# KiCad board 5x5x2.kicad_pcb
title: Orochi 5x5x2; date: 2022-06-25; company: Willem Dijkstra
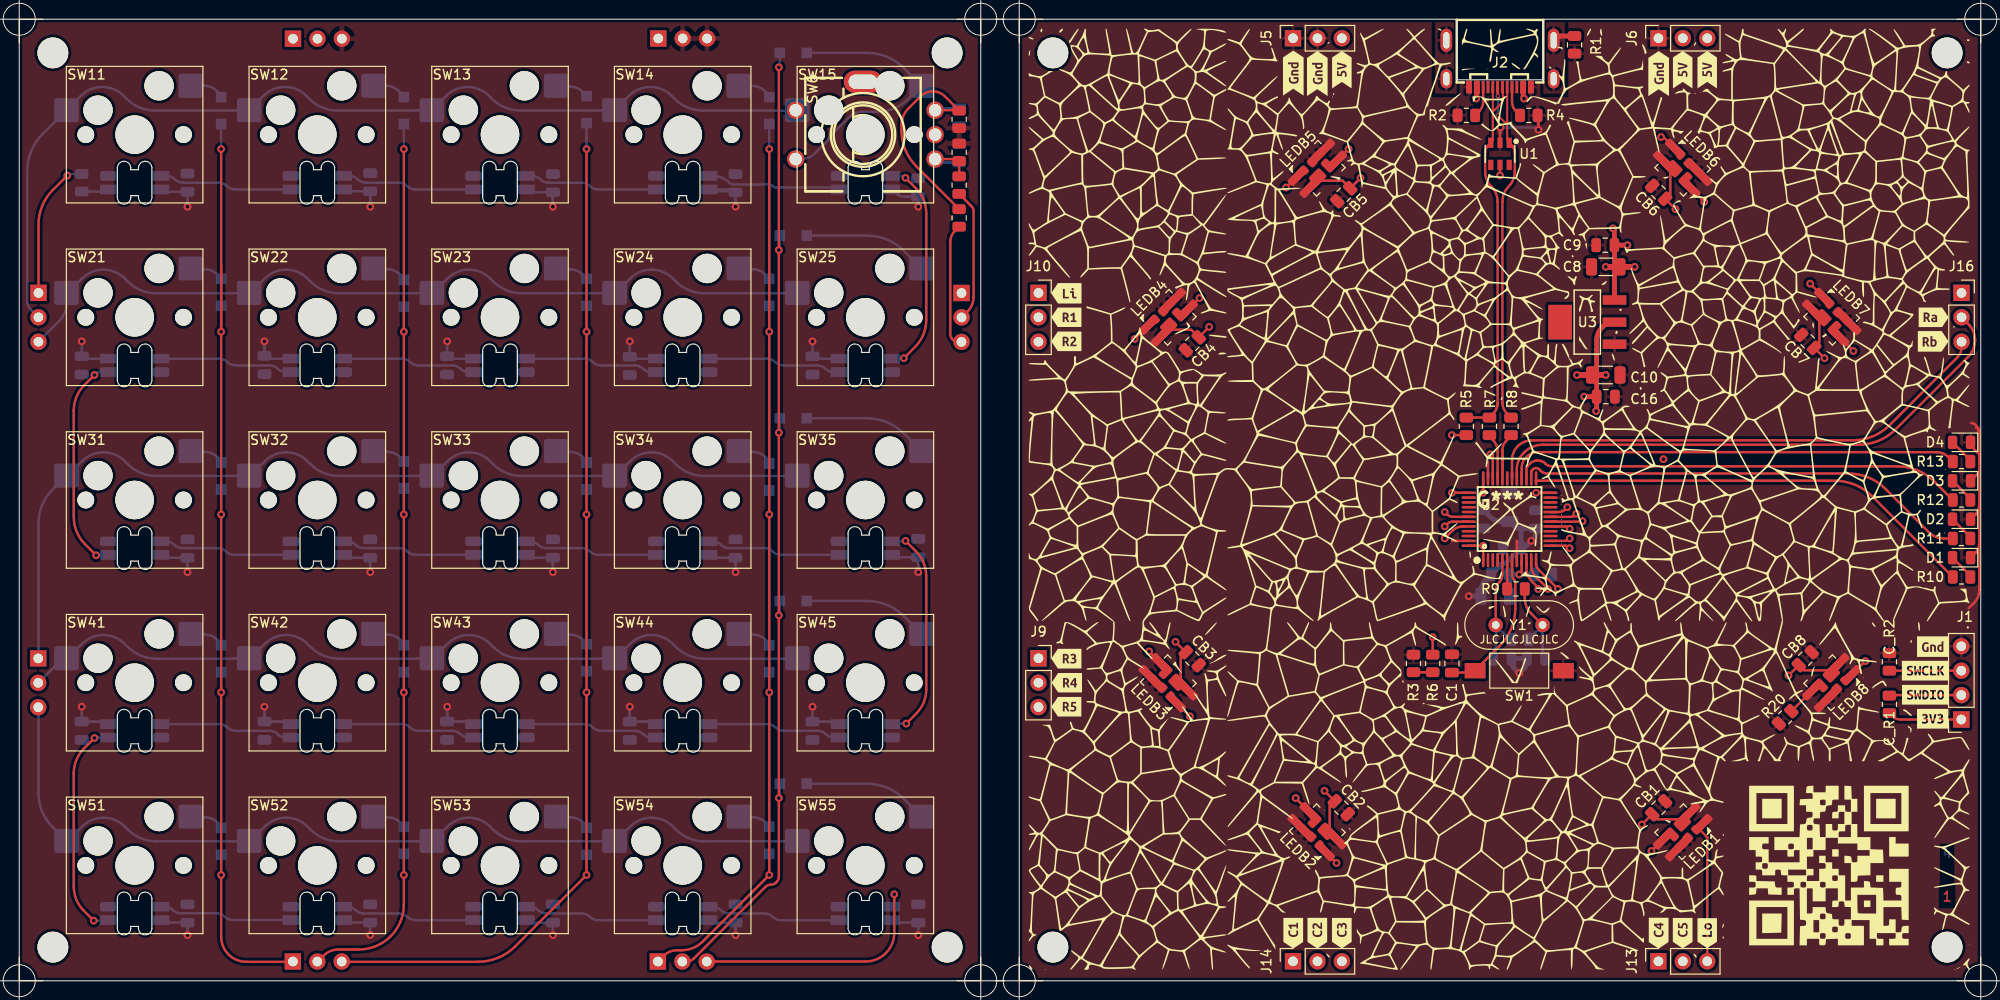
[diagram p0: board, top side]
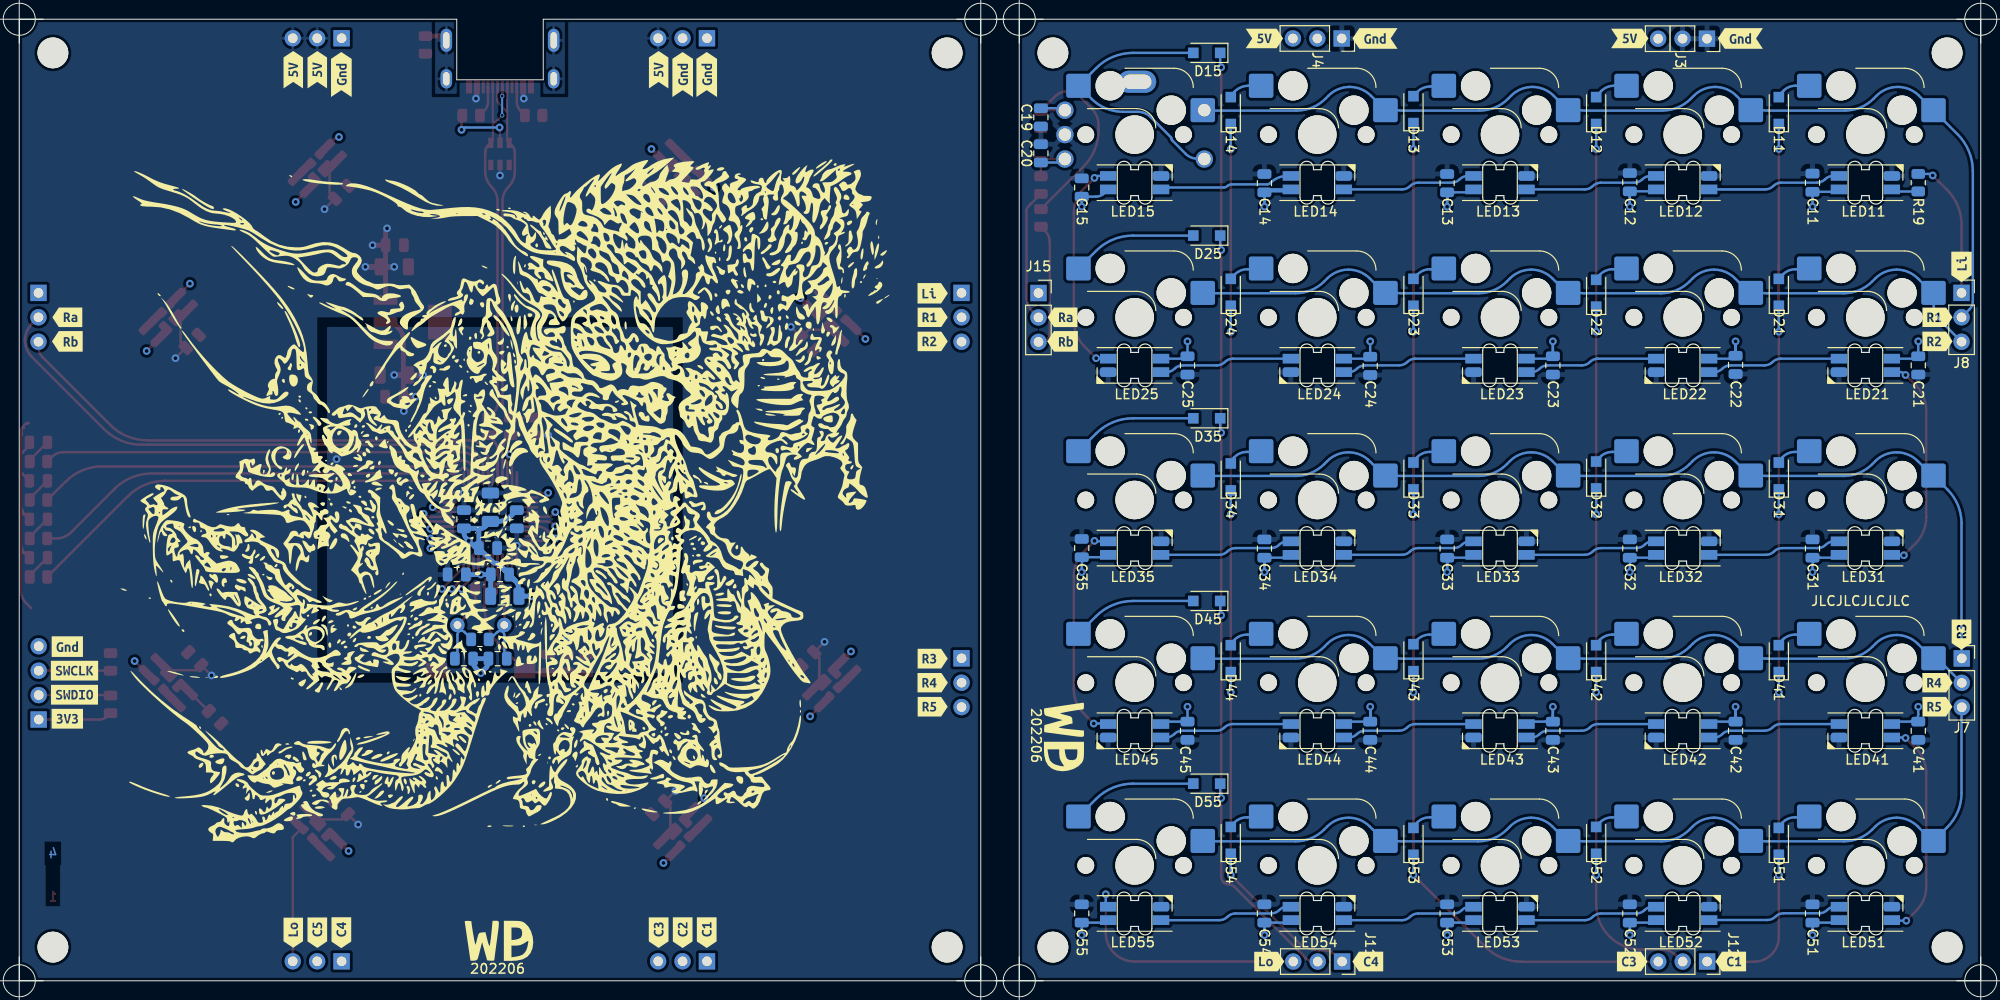
[diagram p1: board, bottom side, seen from below]

Outline 204 x 100 mm; copper layers: Top, In1.Cu, In2.Cu, Bottom. Coordinates in mm from the lower left corner of the outline.
Outline path: 0,100 100,100 100,0 0,0 0,100 ; 104,0 104,100 149.5,100 149.5,93.7 158.5,93.7 158.5,100 204,100 204,0 104,0
Stack: Top 0.035mm / dielectric 0.11mm FR4 er 4.5 / In1.Cu 0.035mm / dielectric 1.1mm FR4 er 4.5 / In2.Cu 0.035mm / dielectric 0.11mm FR4 er 4.5 / Bottom 0.035mm

## Placement (name value [footprint] x y rotation side)
C1  100n  [C_0805_2012Metric]  149 33 90 top
C2  10u  [C_1206_3216Metric]  155 49.25 270 bottom
C3  100n  [C_0805_2012Metric]  155.25 45 0 bottom
C4  100n  [C_0805_2012Metric]  152.25 48 90 bottom
C5  100n  [C_0805_2012Metric]  157.75 48 270 bottom
C6  1u  [C_1206_3216Metric]  153.5 40 180 bottom
C7  1n  [C_0805_2012Metric]  154 42.25 180 bottom
C8  1u  [C_1206_3216Metric]  165 74.25 180 top
C9  100n  [C_0805_2012Metric]  164.95 76.5 180 top
C10  10u  [C_1206_3216Metric]  165 63 0 top
C11  100n  [C_0805_2012Metric]  17.5 83 270 bottom
C12  100n  [C_0805_2012Metric]  36.5 83.05 270 bottom
C13  100n  [C_0805_2012Metric]  55.5 82.95 270 bottom
C14  100n  [C_0805_2012Metric]  74.5 82.95 270 bottom
C15  100n  [C_0805_2012Metric]  93.5 82.5 270 bottom
C16  100n  [C_0805_2012Metric]  165 60.75 0 top
C17  20p  [C_0805_2012Metric]  154.25 33.5 180 bottom
C18  20p  [C_0805_2012Metric]  157.75 33.5 0 bottom
C19  100n  [C_0805_2012Metric]  97.75 89.8 270 bottom
C20  100n  [C_0805_2012Metric]  97.75 86.05 90 bottom
C21  100n  [C_0805_2012Metric]  6.5 64 270 bottom
C22  100n  [C_0805_2012Metric]  25.5 64.05 270 bottom
C23  100n  [C_0805_2012Metric]  44.5 64 270 bottom
C24  100n  [C_0805_2012Metric]  63.5 63.95 270 bottom
C25  100n  [C_0805_2012Metric]  82.5 64 270 bottom
C31  100n  [C_0805_2012Metric]  17.5 44.95 270 bottom
C32  100n  [C_0805_2012Metric]  36.5 44.95 270 bottom
C33  100n  [C_0805_2012Metric]  55.5 44.95 270 bottom
C34  100n  [C_0805_2012Metric]  74.5 44.95 270 bottom
C35  100n  [C_0805_2012Metric]  93.5 45 270 bottom
C41  100n  [C_0805_2012Metric]  6.5 26 270 bottom
C42  100n  [C_0805_2012Metric]  25.5 26 270 bottom
C43  100n  [C_0805_2012Metric]  44.5 26 270 bottom
C44  100n  [C_0805_2012Metric]  63.5 26 270 bottom
C45  100n  [C_0805_2012Metric]  82.5 26 270 bottom
C51  100n  [C_0805_2012Metric]  17.5 7 270 bottom
C52  100n  [C_0805_2012Metric]  36.5 7 270 bottom
C53  100n  [C_0805_2012Metric]  55.5 7 270 bottom
C54  100n  [C_0805_2012Metric]  74.5 7 270 bottom
C55  100n  [C_0805_2012Metric]  93.5 7 270 bottom
C_R1  10k  [R_0805_2012Metric]  194.5 28.75 90 top
C_R2  10k  [R_0805_2012Metric]  194.5 33.16 90 top
C_R3  1M  [R_0805_2012Metric]  156.09 35.5 0 bottom
CB1  100n  [C_0805_2012Metric]  170.5 18 45 top
CB2  100n  [C_0805_2012Metric]  137.5 18 315 top
CB3  100n  [C_0805_2012Metric]  122 33.5 315 top
CB4  100n  [C_0805_2012Metric]  122 66.25 225 top
CB5  100n  [C_0805_2012Metric]  137.75 81.75 225 top
CB6  100n  [C_0805_2012Metric]  170.5 82 135 top
CB7  100n  [C_0805_2012Metric]  186 66.5 135 top
CB8  100n  [C_0805_2012Metric]  185.75 33.5 45 top
D1  Led_Small  [LED_0805_2012Metric]  202 44 180 top
D2  Led_Small  [LED_0805_2012Metric]  202 48 180 top
D3  Led_Small  [LED_0805_2012Metric]  202 52 180 top
D4  Led_Small  [LED_0805_2012Metric]  202 56 180 top
D11  1N4148  [D_SOD-123F]  21 90.5 90 bottom
D12  1N4148  [D_SOD-123F]  40 90.5 90 bottom
D13  1N4148  [D_SOD-123F]  59 90.6 90 bottom
D14  1N4148  [D_SOD-123F]  78 90.5 90 bottom
D15  1N4148  [D_SOD-123F]  80.5 96.5 0 bottom
D21  1N4148  [D_SOD-123F]  21 71.6 90 bottom
D22  1N4148  [D_SOD-123F]  40 71.5 90 bottom
D23  1N4148  [D_SOD-123F]  59 71.6 90 bottom
D24  1N4148  [D_SOD-123F]  78 71.6 90 bottom
D25  1N4148  [D_SOD-123F]  80.5 77.5 0 bottom
D31  1N4148  [D_SOD-123F]  21 52.5 90 bottom
D32  1N4148  [D_SOD-123F]  40 52.6 90 bottom
D33  1N4148  [D_SOD-123F]  59 52.5 90 bottom
D34  1N4148  [D_SOD-123F]  78 52.4 90 bottom
D35  1N4148  [D_SOD-123F]  80.5 58.5 0 bottom
D41  1N4148  [D_SOD-123F]  21 33.5 90 bottom
D42  1N4148  [D_SOD-123F]  40 33.5 90 bottom
D43  1N4148  [D_SOD-123F]  59 33.6 90 bottom
D44  1N4148  [D_SOD-123F]  78 33.5 90 bottom
D45  1N4148  [D_SOD-123F]  80.5 39.5 0 bottom
D51  1N4148  [D_SOD-123F]  21 14.5 90 bottom
D52  1N4148  [D_SOD-123F]  40 14.6 90 bottom
D53  1N4148  [D_SOD-123F]  59 14.5 90 bottom
D54  1N4148  [D_SOD-123F]  78 14.6 90 bottom
D55  1N4148  [D_SOD-123F]  80.5 20.5 0 bottom
G***  -  [LOGO]  154 50 0 top
G***#2  LOGO  [6066b2b7-d2ea-446b-a3ec-363ac94d605e]  117.13 84.97 0 bottom
G***#3  -  [LOGO]  95.25 25.25 270 bottom
G***#4  -  [LOGO]  154 4.25 180 bottom
J1  SW Debug  [PinSocket_1x04_P2.54mm_Vertical]  201.97 27.17 180 top
J2  USB_C_Receptacle_USB2.0  [USB-C-SMD_TYPE-C-USB-4]  154 95.41 180 top
J3  Conn_01x03_Male  [PinSocket_1x03_P2.54mm_Vertical]  28.47 97.97 270 bottom
J4  Conn_01x03_Male  [PinSocket_1x03_P2.54mm_Vertical]  66.46 98 270 bottom
J5  Conn_01x03_Female  [PinSocket_1x03_P2.54mm_Vertical]  132.47 98.03 90 top
J6  Conn_01x03_Female  [PinSocket_1x03_P2.54mm_Vertical]  170.47 98.03 90 top
J7  Conn_01x03_Male  [PinSocket_1x03_P2.54mm_Vertical]  1.98 33.53 180 bottom
J8  Conn_01x03_Male  [PinSocket_1x03_P2.54mm_Vertical]  2 71.54 180 bottom
J9  Conn_01x03_Female  [PinSocket_1x03_P2.54mm_Vertical]  106 33.54 0 top
J10  Conn_01x03_Female  [PinSocket_1x03_P2.54mm_Vertical]  106 71.54 0 top
J11  Conn_01x03_Male  [PinSocket_1x03_P2.54mm_Vertical]  66.42 2 270 bottom
J12  Conn_01x03_Male  [PinSocket_1x03_P2.54mm_Vertical]  28.46 2 270 bottom
J13  Conn_01x03_Female  [PinSocket_1x03_P2.54mm_Vertical]  170.47 2.03 90 top
J14  Conn_01x03_Female  [PinSocket_1x03_P2.54mm_Vertical]  132.47 2.03 90 top
J15  Conn_01x03_Male  [PinSocket_1x03_P2.54mm_Vertical]  98 71.53 180 bottom
J16  Conn_01x03_Female  [PinSocket_1x03_P2.54mm_Vertical]  202 71.54 0 top
kibuzzard-62AF6B0E  G***  [kibuzzard-62AF6B0E]  2 36 90 bottom
kibuzzard-62AF6B7C  G***  [kibuzzard-62AF6B7C]  109 28.5 180 bottom
kibuzzard-62AF6B7C#2  G***  [kibuzzard-62AF6B7C]  4.5 28.5 180 bottom
kibuzzard-62AF6B38  G***  [kibuzzard-62AF6B38]  4.5 31 180 bottom
kibuzzard-62AF6B38#2  G***  [kibuzzard-62AF6B38]  109 31 180 bottom
kibuzzard-62AF6BA3  G***  [kibuzzard-62AF6BA3]  109 66.5 180 bottom
kibuzzard-62AF6BA3#2  G***  [kibuzzard-62AF6BA3]  4.5 66.5 180 bottom
kibuzzard-62AF6BAD  G***  [kibuzzard-62AF6BAD]  4.5 69 180 bottom
kibuzzard-62AF6BAD#2  G***  [kibuzzard-62AF6BAD]  109 69 180 bottom
kibuzzard-62AF6BF3  G***  [kibuzzard-62AF6BF3]  2 74.25 90 bottom
kibuzzard-62AF6D1E  G***  [kibuzzard-62AF6D1E]  36.5 98 180 bottom
kibuzzard-62AF6D1E#2  G***  [kibuzzard-62AF6D1E]  74.5 98 180 bottom
kibuzzard-62AF6DB1  G***  [kibuzzard-62AF6DB1]  63 98 180 bottom
kibuzzard-62AF6DB1#2  G***  [kibuzzard-62AF6DB1]  25 98 180 bottom
kibuzzard-62AF6E15  G***  [kibuzzard-62AF6E15]  95.5 69 180 bottom
kibuzzard-62AF6E21  G***  [kibuzzard-62AF6E21]  95.5 66.5 180 bottom
kibuzzard-62AF6EB6  G***  [kibuzzard-62AF6EB6]  63.75 2 180 bottom
kibuzzard-62AF6EDD  G***  [kibuzzard-62AF6EDD]  26 2 180 bottom
kibuzzard-62AF6F00  G***  [kibuzzard-62AF6F00]  36.25 2 180 bottom
kibuzzard-62AF6F11  G***  [kibuzzard-62AF6F11]  74 2 180 bottom
kibuzzard-62AF7A14  G***  [kibuzzard-62AF7A14]  199 34.75 0 top
kibuzzard-62AF7A14#2  G***  [kibuzzard-62AF7A14]  199 34.75 180 bottom
kibuzzard-62AF7A28  G***  [kibuzzard-62AF7A28]  198.25 32.25 0 top
kibuzzard-62AF7A28#2  G***  [kibuzzard-62AF7A28]  198.25 32.25 180 bottom
kibuzzard-62AF7A49  G***  [kibuzzard-62AF7A49]  198.25 29.75 0 top
kibuzzard-62AF7A49#2  G***  [kibuzzard-62AF7A49]  198.25 29.75 180 bottom
kibuzzard-62AF7A56  G***  [kibuzzard-62AF7A56]  199 27.25 0 top
kibuzzard-62AF7A56#2  G***  [kibuzzard-62AF7A56]  199 27.25 180 bottom
kibuzzard-62AF7CA9  G***  [kibuzzard-62AF7CA9]  109 33.5 180 bottom
kibuzzard-62AF7CCF  G***  [kibuzzard-62AF7CCF]  109 71.5 180 bottom
kibuzzard-62AF73B1  G***  [kibuzzard-62AF73B1]  135 94.35 90 top
kibuzzard-62AF73B1#2  G***  [kibuzzard-62AF73B1]  170.5 94.35 90 top
kibuzzard-62AF73B1#3  G***  [kibuzzard-62AF73B1]  132.5 94.4 90 top
kibuzzard-62AF73B1#4  G***  [kibuzzard-62AF73B1]  132.5 94.25 90 bottom
kibuzzard-62AF73B1#5  G***  [kibuzzard-62AF73B1]  170.5 94.25 90 bottom
kibuzzard-62AF73B1#6  G***  [kibuzzard-62AF73B1]  135 94.25 90 bottom
kibuzzard-62AF73D1  G***  [kibuzzard-62AF73D1]  175.55 94.75 90 top
kibuzzard-62AF73D1#2  G***  [kibuzzard-62AF73D1]  173 94.75 90 top
kibuzzard-62AF73D1#3  G***  [kibuzzard-62AF73D1]  137.55 94.75 90 top
kibuzzard-62AF73D1#4  G***  [kibuzzard-62AF73D1]  173 94.75 90 bottom
kibuzzard-62AF73D1#5  G***  [kibuzzard-62AF73D1]  175.5 94.75 90 bottom
kibuzzard-62AF73D1#6  G***  [kibuzzard-62AF73D1]  137.5 94.75 90 bottom
kibuzzard-62AF74B5  G***  [kibuzzard-62AF74B5]  132.5 4.95 90 top
kibuzzard-62AF74B5#2  G***  [kibuzzard-62AF74B5]  132.5 5 90 bottom
kibuzzard-62AF74BF  G***  [kibuzzard-62AF74BF]  135 4.95 90 top
kibuzzard-62AF74BF#2  G***  [kibuzzard-62AF74BF]  135 5 90 bottom
kibuzzard-62AF74C8  G***  [kibuzzard-62AF74C8]  137.55 4.95 90 top
kibuzzard-62AF74C8#2  G***  [kibuzzard-62AF74C8]  137.5 5 90 bottom
kibuzzard-62AF74DA  G***  [kibuzzard-62AF74DA]  108.9 33.5 0 top
kibuzzard-62AF74E3  G***  [kibuzzard-62AF74E3]  108.95 31 0 top
kibuzzard-62AF74EC  G***  [kibuzzard-62AF74EC]  108.9 28.5 0 top
kibuzzard-62AF74F7  G***  [kibuzzard-62AF74F7]  108.9 66.5 0 top
kibuzzard-62AF74FE  G***  [kibuzzard-62AF74FE]  108.9 69 0 top
kibuzzard-62AF742E  G***  [kibuzzard-62AF742E]  199.05 66.5 0 top
kibuzzard-62AF749F  G***  [kibuzzard-62AF749F]  175.55 4.95 90 top
kibuzzard-62AF749F#2  G***  [kibuzzard-62AF749F]  175.5 5 90 bottom
kibuzzard-62AF750A  G***  [kibuzzard-62AF750A]  108.9 71.5 0 top
kibuzzard-62AF7423  G***  [kibuzzard-62AF7423]  199.1 69 0 top
kibuzzard-62AF7487  G***  [kibuzzard-62AF7487]  170.5 4.95 90 top
kibuzzard-62AF7487#2  G***  [kibuzzard-62AF7487]  170.5 5 90 bottom
kibuzzard-62AF7492  G***  [kibuzzard-62AF7492]  173 4.95 90 top
kibuzzard-62AF7492#2  G***  [kibuzzard-62AF7492]  173 5 90 bottom
kibuzzard-62B6DFF3  G***  [kibuzzard-62B6DFF3]  199 69 180 bottom
kibuzzard-62B6E005  G***  [kibuzzard-62B6E005]  199 66.5 180 bottom
L1  bead  [C_0805_2012Metric]  158.5 42.25 180 bottom
LED11  SK6812MINI-E  [YS-SK6812MINI-E]  12 83 0 bottom
LED12  SK6812MINI-E  [YS-SK6812MINI-E]  31 83 0 bottom
LED13  SK6812MINI-E  [YS-SK6812MINI-E]  50 83 0 bottom
LED14  SK6812MINI-E  [YS-SK6812MINI-E]  69 83 0 bottom
LED15  SK6812MINI-E  [YS-SK6812MINI-E]  88 83 0 bottom
LED21  SK6812MINI-E  [YS-SK6812MINI-E]  12 64 180 bottom
LED22  SK6812MINI-E  [YS-SK6812MINI-E]  31 64 180 bottom
LED23  SK6812MINI-E  [YS-SK6812MINI-E]  50 64 180 bottom
LED24  SK6812MINI-E  [YS-SK6812MINI-E]  69 64 180 bottom
LED25  SK6812MINI-E  [YS-SK6812MINI-E]  88 64 180 bottom
LED31  SK6812MINI-E  [YS-SK6812MINI-E]  12 45 0 bottom
LED32  SK6812MINI-E  [YS-SK6812MINI-E]  31 45 0 bottom
LED33  SK6812MINI-E  [YS-SK6812MINI-E]  50 45 0 bottom
LED34  SK6812MINI-E  [YS-SK6812MINI-E]  69 45 0 bottom
LED35  SK6812MINI-E  [YS-SK6812MINI-E]  88 45 0 bottom
LED41  SK6812MINI-E  [YS-SK6812MINI-E]  12 26 180 bottom
LED42  SK6812MINI-E  [YS-SK6812MINI-E]  31 26 180 bottom
LED43  SK6812MINI-E  [YS-SK6812MINI-E]  50 26 180 bottom
LED44  SK6812MINI-E  [YS-SK6812MINI-E]  69 26 180 bottom
LED45  SK6812MINI-E  [YS-SK6812MINI-E]  88 26 180 bottom
LED51  SK6812MINI-E  [YS-SK6812MINI-E]  12 7 0 bottom
LED52  SK6812MINI-E  [YS-SK6812MINI-E]  31 7 0 bottom
LED53  SK6812MINI-E  [YS-SK6812MINI-E]  50 7 0 bottom
LED54  SK6812MINI-E  [YS-SK6812MINI-E]  69 7 0 bottom
LED55  SK6812MINI-E  [YS-SK6812MINI-E]  88 7 0 bottom
LEDB1  SK6812MINI  [SK6812_mini]  173 15.5 45 top
LEDB2  SK6812MINI  [SK6812_mini]  135 15.5 315 top
LEDB3  SK6812MINI  [SK6812_mini]  119.5 31 315 top
LEDB4  SK6812MINI  [SK6812_mini]  119.5 69 225 top
LEDB5  SK6812MINI  [SK6812_mini]  135 84.5 225 top
LEDB6  SK6812MINI  [SK6812_mini]  173 84.5 135 top
LEDB7  SK6812MINI  [SK6812_mini]  188.5 69 135 top
LEDB8  SK6812MINI  [SK6812_mini]  188.5 31 45 top
R1  0  [R_0805_2012Metric]  161.75 97.34 90 top
R2  5k1  [R_0805_2012Metric]  150.5 90 0 top
R3  0  [R_0805_2012Metric]  145 33 90 top
R4  5k1  [R_0805_2012Metric]  157 90 180 top
R5  1k5  [R_0805_2012Metric]  150.5 57.66 270 top
R6  10k  [R_0805_2012Metric]  147 33 270 top
R7  22  [R_0805_2012Metric]  152.9 57.66 90 top
R8  22  [R_0805_2012Metric]  155.15 57.66 90 top
R9  33  [R_0805_2012Metric]  155.66 40.75 180 top
R10  1k  [R_0805_2012Metric]  202 42 180 top
R11  1k  [R_0805_2012Metric]  202 46 180 top
R12  1k  [R_0805_2012Metric]  202 50 180 top
R13  1k  [R_0805_2012Metric]  202 54 180 top
R15  10k  [R_0805_2012Metric]  97.75 79.34 90 top
R16  10k  [R_0805_2012Metric]  97.75 89.59 90 top
R17  10k  [R_0805_2012Metric]  97.75 86.16 270 top
R18  10k  [R_0805_2012Metric]  97.75 82.75 90 top
R19  220  [R_0805_2012Metric]  6.5 83 90 bottom
R20  470  [R_0805_2012Metric]  183.65 27.4 45 top
REF**  -  [MountingHole_3.2mm_M3]  3.5 96.5 0 top
REF**#2  -  [MountingHole_3.2mm_M3]  3.5 3.5 0 top
REF**#3  -  [MountingHole_3.2mm_M3]  200.5 96.5 0 top
REF**#4  -  [MountingHole_3.2mm_M3]  200.5 3.5 0 top
REF**#5  -  [MountingHole_3.2mm_M3]  96.5 96.5 0 top
REF**#6  -  [MountingHole_3.2mm_M3]  96.5 3.5 0 top
REF**#7  -  [MountingHole_3.2mm_M3]  107.5 3.5 0 top
REF**#8  -  [MountingHole_3.2mm_M3]  107.5 96.5 0 top
SW1  SW  [SW_SPST_FSMSM]  156 32.25 180 top
SW6  ALPS_EC11  [SW-TH_EC11XXXXXXXX]  88 88 90 top
SW11  SW  [SW_Hotswap_Kailh_MX_1.00u]  12 88 0 top
SW12  SW  [SW_Hotswap_Kailh_MX_1.00u]  31 88 0 top
SW13  SW  [SW_Hotswap_Kailh_MX_1.00u]  50 88 0 top
SW14  SW  [SW_Hotswap_Kailh_MX_1.00u]  69 88 0 top
SW15  SW  [SW_Hotswap_Kailh_MX_1.00u]  88 88 0 top
SW21  SW  [SW_Hotswap_Kailh_MX_1.00u]  12 69 0 top
SW22  SW  [SW_Hotswap_Kailh_MX_1.00u]  31 69 0 top
SW23  SW  [SW_Hotswap_Kailh_MX_1.00u]  50 69 0 top
SW24  SW  [SW_Hotswap_Kailh_MX_1.00u]  69 69 0 top
SW25  SW  [SW_Hotswap_Kailh_MX_1.00u]  88 69 0 top
SW31  SW  [SW_Hotswap_Kailh_MX_1.00u]  12 50 0 top
SW32  SW  [SW_Hotswap_Kailh_MX_1.00u]  31 50 0 top
SW33  SW  [SW_Hotswap_Kailh_MX_1.00u]  50 50 0 top
SW34  SW  [SW_Hotswap_Kailh_MX_1.00u]  69 50 0 top
SW35  SW  [SW_Hotswap_Kailh_MX_1.00u]  88 50 0 top
SW41  SW  [SW_Hotswap_Kailh_MX_1.00u]  12 31 0 top
SW42  SW  [SW_Hotswap_Kailh_MX_1.00u]  31 31 0 top
SW43  SW  [SW_Hotswap_Kailh_MX_1.00u]  50 31 0 top
SW44  SW  [SW_Hotswap_Kailh_MX_1.00u]  69 31 0 top
SW45  SW  [SW_Hotswap_Kailh_MX_1.00u]  88 31 0 top
SW51  SW  [SW_Hotswap_Kailh_MX_1.00u]  12 12 0 top
SW52  SW  [SW_Hotswap_Kailh_MX_1.00u]  31 12 0 top
SW53  SW  [SW_Hotswap_Kailh_MX_1.00u]  50 12 0 top
SW54  SW  [SW_Hotswap_Kailh_MX_1.00u]  69 12 0 top
SW55  SW  [SW_Hotswap_Kailh_MX_1.00u]  88 12 0 top
U1  SRV0504  [SOT-23-6_L2.9-W1.6-P0.95-LS2.8-BL]  154 86 180 top
U2  STM32F103C8  [LQFP-48_L7.0-W7.0-P0.50-LS9.0-BL]  155 48 0 top
U3  LD1117S33CTR  [SOT-223-4_L6.5-W3.5-P2.30-LS7.0-BR]  163.08 68.5 0 top
Y1  16M  [Crystal_HC49-U_Vertical]  153.55 37 0 top

## Footprints (pads in the part's own frame, mm; a bottom-side part is the same pattern mirrored in y, then rotated)
C_0805_2012Metric
  rrect 1x1.45 smd: 1(-0.95,0) 2(0.95,0)
C_1206_3216Metric
  rrect 1.15x1.8 smd: 1(-1.475,0) 2(1.475,0)
Crystal_HC49-U_Vertical
  round 1.5 hole 0.8: 1(0,0) 2(4.88,0)
D_SOD-123F
  rect 1.1x1.1 smd: 1(-1.4,0) 2(1.4,0)
LED_0805_2012Metric
  rrect 0.975x1.4 smd: 1(-0.938,0) 2(0.938,0)
LQFP-48_L7.0-W7.0-P0.50-LS9.0-BL
  oval 0.27x1.5 smd: 1(-2.75,-4.25) 2(-2.25,-4.25) 3(-1.75,-4.25) 4(-1.25,-4.25) 5(-0.75,-4.25) 6(-0.25,-4.25) 7(0.25,-4.25) 8(0.75,-4.25) 9(1.25,-4.25) 10(1.75,-4.25) 11(2.25,-4.25) 12(2.75,-4.25) 25(2.75,4.25) 26(2.25,4.25) 27(1.75,4.25) 28(1.25,4.25) 29(0.75,4.25) 30(0.25,4.25) 31(-0.25,4.25) 32(-0.75,4.25) 33(-1.25,4.25) 34(-1.75,4.25) 35(-2.25,4.25) 36(-2.75,4.25)
  oval 1.5x0.27 smd: 13(4.25,-2.75) 14(4.25,-2.25) 15(4.25,-1.75) 16(4.25,-1.25) 17(4.25,-0.75) 18(4.25,-0.25) 19(4.25,0.25) 20(4.25,0.75) 21(4.25,1.25) 22(4.25,1.75) 23(4.25,2.25) 24(4.25,2.75) 37(-4.25,2.75) 38(-4.25,2.25) 39(-4.25,1.75) 40(-4.25,1.25) 41(-4.25,0.75) 42(-4.25,0.25) 43(-4.25,-0.25) 44(-4.25,-0.75) 45(-4.25,-1.25) 46(-4.25,-1.75) 47(-4.25,-2.25) 48(-4.25,-2.75)
MountingHole_3.2mm_M3
  round 3.2 hole 3.2 unplated: (0,0)
PinSocket_1x03_P2.54mm_Vertical
  rect 1.7x1.7 hole 1: 1(0,0)
  oval 1.7x1.7 hole 1: 2(0,-2.54) 3(0,-5.08)
PinSocket_1x04_P2.54mm_Vertical
  rect 1.7x1.7 hole 1: 1(0,0)
  oval 1.7x1.7 hole 1: 2(0,-2.54) 3(0,-5.08) 4(0,-7.62)
R_0805_2012Metric
  rrect 1.025x1.4 smd: 1(-0.912,0) 2(0.912,0)
SK6812_mini
  rrect 2.15x0.85 smd: 1(-2.125,0.875) 2(-2.125,-0.875) 3(2.125,-0.875) 4(2.125,0.875)
  oval 1.5x0.85 smd: 1(-1.3,0.875)
  rrect 0.85x1.45 smd: 1(-0.975,0.575)
  oval 2.2x0.85 smd: 2(-0.95,-0.875) 4(0.95,0.875)
  rect 1.6x0.85 smd: 2(-0.75,-0.875)
  rrect 0.875x0.95 smd: 2(-0.075,-0.825)
  rrect 0.65x0.95 smd: 3(1.08,-0.825)
  oval 1.3x0.85 smd: 3(1.4,-0.875)
  rrect 1.55x1.25 smd: 4(0.625,0.68)
SOT-23-6_L2.9-W1.6-P0.95-LS2.8-BL
  rect 0.53x1.07 smd: 1(-0.95,-1.15) 2(0,-1.15) 3(0.95,-1.15) 4(0.95,1.15) 5(0,1.15) 6(-0.95,1.15)
SOT-223-4_L6.5-W3.5-P2.30-LS7.0-BR
  rect 2.47x0.98 smd: 1(2.83,-2.3) 2(2.83,0) 3(2.83,2.3)
  rect 2.47x3.6 smd: 4(-2.83,0)
SW-TH_EC11XXXXXXXX
  oval 2.3x4 hole 1.5x3: 6(5.5,0.25)
  oval 0.001x0.001 hole 1.5x3: 7(-5.5,0.25)
  round 1.8 hole 1.3: A(-2.54,-7.25) B(2.54,-7.25) C(0,-7.25) D(2.54,7.25) E(-2.54,7.25)
SW_Hotswap_Kailh_MX_1.00u
  round 1.75 hole 1.75 unplated: (-5.08,0) (5.08,0)
  round 3.05 hole 3.05 unplated: (-3.81,2.54) (2.54,5.08)
  round 4 hole 4 unplated: (0,0)
  rrect 2.55x2.5 smd far side: 1(-7.085,2.54) 2(5.842,5.08)
SW_SPST_FSMSM
  rect 2.18x1.6 smd: 1(-4.59,0) 2(4.59,0)
USB-C-SMD_TYPE-C-USB-4
  rect 0.6x1.3 smd: A1(-3.21,2.465) A4(-2.41,2.465) A9(2.41,2.465) A12(3.21,2.465) B1(3.21,2.465) B4(2.41,2.465) B9(-2.41,2.465) B12(-3.21,2.465)
  rect 0.3x1.3 smd: A5(-1.25,2.465) A6(-0.25,2.465) A7(0.25,2.465) A8(1.25,2.465) B5(1.75,2.465) B6(0.75,2.465) B7(-0.75,2.465) B8(-1.75,2.465)
  oval 1.2x2 hole 0.65x1.4: S1(-5.58,1.61) S1(5.58,1.61)
  oval 1.2x2.4 hole 0.65x1.7: S1(-5.58,-2.39) S1(5.58,-2.39)
YS-SK6812MINI-E
  rect 1.7x1 smd: 1(2.75,0.7) 2(2.75,-0.7) 4(-2.75,0.7)
  rrect 1.7x1 smd: 3(-2.75,-0.7)

## Nets
+3V3: C2.1 C3.1 C4.1 C5.1 C10.1 C16.1 C_R1.1 J1.1 L1.1 R5.2 U2.1 U2.24 U2.36 U2.48 U3.2
GND: C1.2 C2.2 C3.2 C4.2 C5.2 C6.2 C7.2 C8.2 C9.2 C10.2 C11.1 C12.1 C13.1 C14.1 C15.1 C16.2 C17.1 C18.1 C19.2 C20.2 C21.2 C22.2 C23.2 C24.2 C25.2 C31.1 C32.1 C33.1 C34.1 C35.1 C41.2 C42.2 C43.2 C44.2 C45.2 C51.1 C52.1 C53.1 C54.1 C55.1 C_R2.2 CB1.2 CB2.2 CB3.2 CB4.2 CB5.2 CB6.2 CB7.2 CB8.2 D1.1 D2.1 D3.1 D4.1 J1.4 J2.A1 J2.A12 J2.B1 J2.B12 J3.1 J3.2 J4.1 J5.1 J5.2 J6.1 LED11.3 LED12.3 LED13.3 LED14.3 LED15.3 LED21.3 LED22.3 LED23.3 LED24.3 LED25.3 LED31.3 LED32.3 LED33.3 LED34.3 LED35.3 LED41.3 LED42.3 LED43.3 LED44.3 LED45.3 LED51.3 LED52.3 LED53.3 LED54.3 LED55.3 LEDB1.2 LEDB2.2 LEDB3.2 LEDB4.2 LEDB5.2 LEDB6.2 LEDB7.2 LEDB8.2 R1.1 R2.1 R3.2 R4.1 R20.1 SW1.1 SW6.C U1.2 U2.8 U2.23 U2.35 U2.47 U3.1
/SHIELD: J2.S1 R1.2
/~RESET: C1.1 SW1.2 U2.7
BACKLIGHTIN: J8.1 J10.1 R19.2 U2.17
BACKLIGHTOUT: J11.3 J13.3 LED55.2 LEDB1.3
COL1: D11.1 D21.1 D31.1 D41.1 D51.1 J12.1 J14.1 U2.18
COL2: D12.1 D22.1 D32.1 D42.1 D52.1 J12.2 J14.2 U2.19
COL3: D13.1 D23.1 D33.1 D43.1 D53.1 J12.3 J14.3 U2.20
COL4: D14.1 D24.1 D34.1 D44.1 D54.1 J11.1 J13.1 U2.42
COL5: D15.1 D25.1 D35.1 D45.1 D55.1 J11.2 J13.2 U2.43
ROTA: J15.2 J16.2 R18.1 U2.29
ROTB: J15.3 J16.3 R15.1 U2.30
ROTD: J8.2 J10.2 SW6.D SW11.1 SW12.1 SW13.1 SW14.1 SW15.1 U2.10
ROTE: D15.2 SW6.E SW15.2
ROW2: J8.3 J10.3 SW21.1 SW22.1 SW23.1 SW24.1 SW25.1 U2.11
ROW3: J7.1 J9.1 SW31.1 SW32.1 SW33.1 SW34.1 SW35.1 U2.12
ROW4: J7.2 J9.2 SW41.1 SW42.1 SW43.1 SW44.1 SW45.1 U2.13
ROW5: J7.3 J9.3 SW51.1 SW52.1 SW53.1 SW54.1 SW55.1 U2.14
USBDN: J2.A7 J2.B7 R8.2 U1.1
USBDP: J2.A6 J2.B6 R5.1 R7.2 U1.3
Vusb: C8.1 C9.1 C11.2 C12.2 C13.2 C14.2 C15.2 C21.1 C22.1 C23.1 C24.1 C25.1 C31.2 C32.2 C33.2 C34.2 C35.2 C41.1 C42.1 C43.1 C44.1 C45.1 C51.2 C52.2 C53.2 C54.2 C55.2 CB1.1 CB2.1 CB3.1 CB4.1 CB5.1 CB6.1 CB7.1 CB8.1 J2.A4 J2.A9 J2.B4 J2.B9 J3.3 J4.2 J4.3 J5.3 J6.2 J6.3 LED11.1 LED12.1 LED13.1 LED14.1 LED15.1 LED21.1 LED22.1 LED23.1 LED24.1 LED25.1 LED31.1 LED32.1 LED33.1 LED34.1 LED35.1 LED41.1 LED42.1 LED43.1 LED44.1 LED45.1 LED51.1 LED52.1 LED53.1 LED54.1 LED55.1 LEDB1.4 LEDB2.4 LEDB3.4 LEDB4.4 LEDB5.4 LEDB6.4 LEDB7.4 LEDB8.4 R16.1 R17.1 U1.5 U3.3
Net-(C6-Pad1): C6.1 C7.1 L1.2 U2.9
Net-(C17-Pad2): C17.2 C_R3.1 U2.5 Y1.1
Net-(C18-Pad2): C18.2 C_R3.2 R9.1 Y1.2
Net-(C19-Pad1): C19.1 R15.2 R16.2 SW6.B
Net-(C20-Pad1): C20.1 R17.2 R18.2 SW6.A
Net-(C_R1-Pad2): C_R1.2 J1.2 U2.34
Net-(C_R2-Pad1): C_R2.1 J1.3 U2.37
Net-(D1-Pad2): D1.2 R10.1
Net-(D2-Pad2): D2.2 R11.1
Net-(D3-Pad2): D3.2 R12.1
Net-(D4-Pad2): D4.2 R13.1
Net-(D11-Pad2): D11.2 SW11.2
Net-(D12-Pad2): D12.2 SW12.2
Net-(D13-Pad2): D13.2 SW13.2
Net-(D14-Pad2): D14.2 SW14.2
Net-(D21-Pad2): D21.2 SW21.2
Net-(D22-Pad2): D22.2 SW22.2
Net-(D23-Pad2): D23.2 SW23.2
Net-(D24-Pad2): D24.2 SW24.2
Net-(D25-Pad2): D25.2 SW25.2
Net-(D31-Pad2): D31.2 SW31.2
Net-(D32-Pad2): D32.2 SW32.2
Net-(D33-Pad2): D33.2 SW33.2
Net-(D34-Pad2): D34.2 SW34.2
Net-(D35-Pad2): D35.2 SW35.2
Net-(D41-Pad2): D41.2 SW41.2
Net-(D42-Pad2): D42.2 SW42.2
Net-(D43-Pad2): D43.2 SW43.2
Net-(D44-Pad2): D44.2 SW44.2
Net-(D45-Pad2): D45.2 SW45.2
Net-(D51-Pad2): D51.2 SW51.2